# KiCad board k410t-devboard.kicad_pcb (continued)
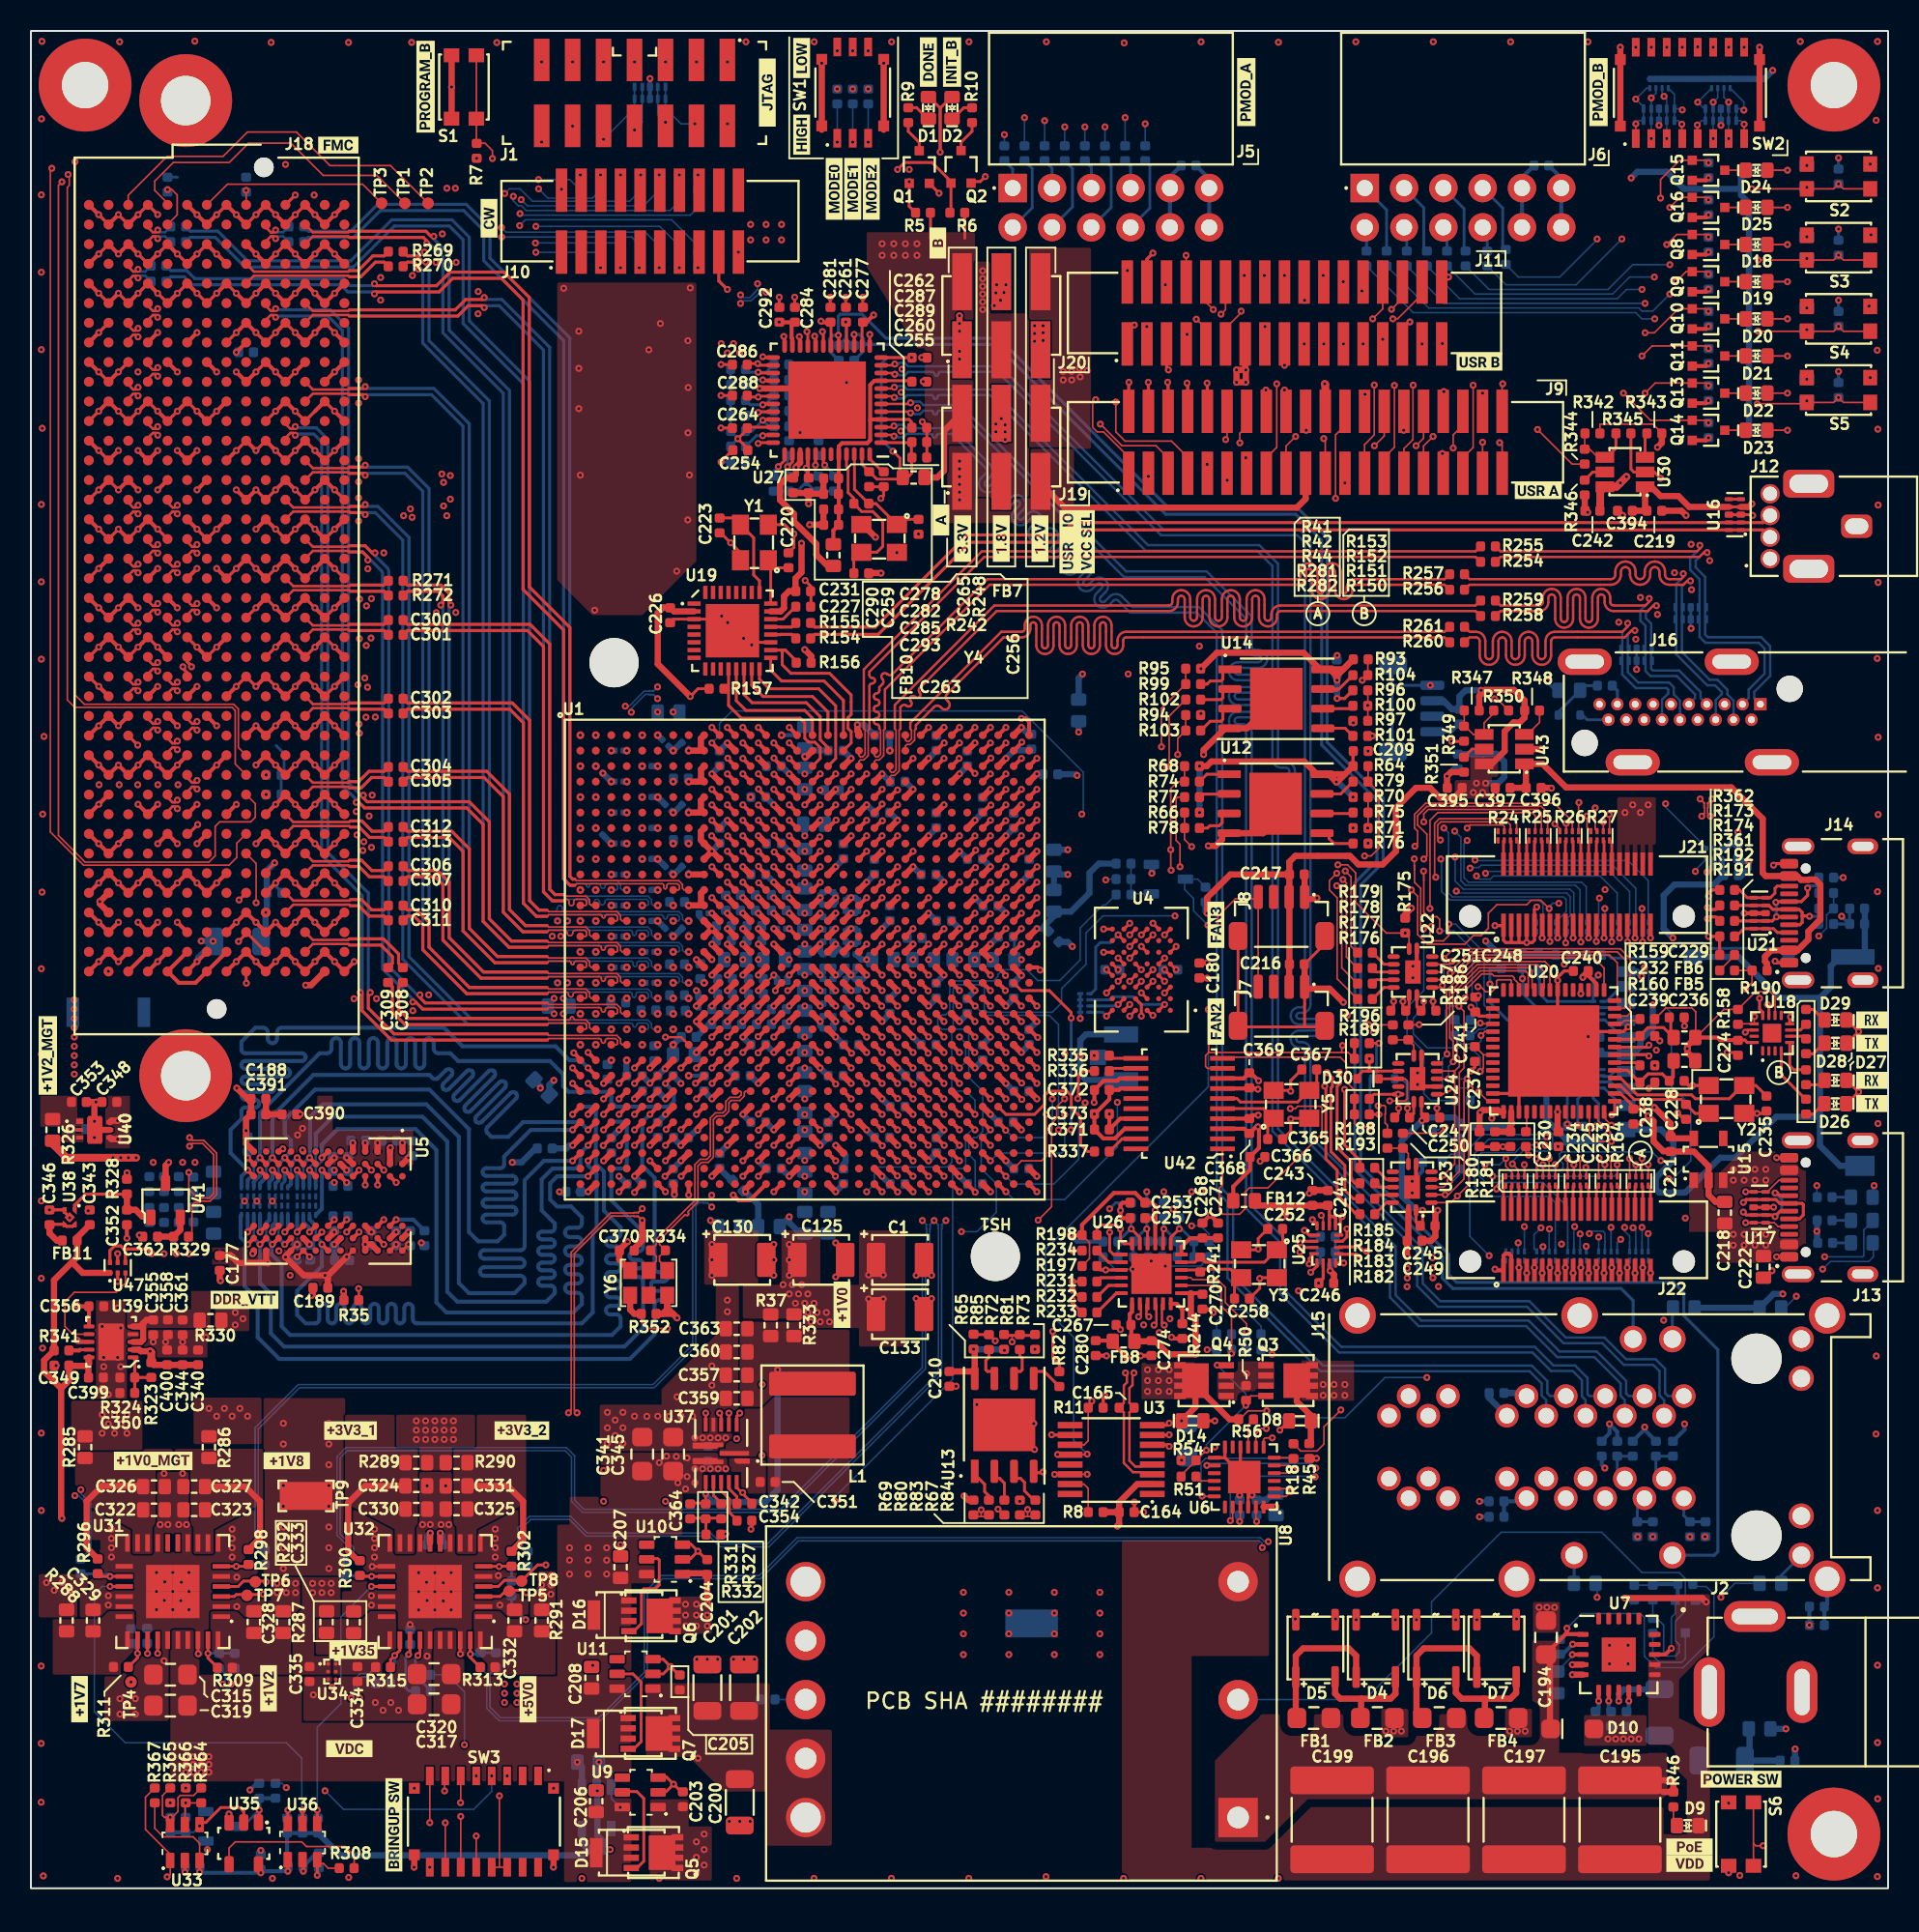
[diagram p0: board, top side]
## Footprints (pads in the part's own frame, mm; a bottom-side part is the same pattern mirrored in y, then rotated) (continued)
BarrelJack_Pin2mm_MJ-179PH
  oval 2x4.5 hole 1x3.5: 1(0,0)
  oval 4x1.99 hole 3x1: 2(2.948,4.879)
  oval 2x4 hole 1x3: 3(5.999,0)
BGA-900_31x31mm_Layout30x30_P1x1mm_FFG900
  round 0.5 smd: A1(-14.5,14.5) A2(-13.5,14.5) A3(-12.5,14.5) A4(-11.5,14.5) A5(-10.5,14.5) A6(-9.5,14.5) A7(-8.5,14.5) A8(-7.5,14.5) A9(-6.5,14.5) A10(-5.5,14.5) A11(-4.5,14.5) A12(-3.5,14.5) A13(-2.5,14.5) A14(-1.5,14.5) A15(-0.5,14.5) A16(0.5,14.5) A17(1.5,14.5) A18(2.5,14.5) A19(3.5,14.5) A20(4.5,14.5) A21(5.5,14.5) A22(6.5,14.5) A23(7.5,14.5) A24(8.5,14.5) A25(9.5,14.5) A26(10.5,14.5) A27(11.5,14.5) A28(12.5,14.5) A29(13.5,14.5) A30(14.5,14.5) AA1(-14.5,-5.5) AA2(-13.5,-5.5) AA3(-12.5,-5.5) AA4(-11.5,-5.5) AA5(-10.5,-5.5) AA6(-9.5,-5.5) AA7(-8.5,-5.5) AA8(-7.5,-5.5) AA9(-6.5,-5.5) AA10(-5.5,-5.5) AA11(-4.5,-5.5) AA12(-3.5,-5.5) AA13(-2.5,-5.5) AA14(-1.5,-5.5) AA15(-0.5,-5.5) AA16(0.5,-5.5) AA17(1.5,-5.5) AA18(2.5,-5.5) AA19(3.5,-5.5) AA20(4.5,-5.5) AA21(5.5,-5.5) AA22(6.5,-5.5) AA23(7.5,-5.5) AA24(8.5,-5.5) AA25(9.5,-5.5) AA26(10.5,-5.5) AA27(11.5,-5.5) AA28(12.5,-5.5) AA29(13.5,-5.5) AA30(14.5,-5.5) AB1(-14.5,-6.5) AB2(-13.5,-6.5) AB3(-12.5,-6.5) AB4(-11.5,-6.5) AB5(-10.5,-6.5) AB6(-9.5,-6.5) AB7(-8.5,-6.5) AB8(-7.5,-6.5) AB9(-6.5,-6.5) AB10(-5.5,-6.5) AB11(-4.5,-6.5) AB12(-3.5,-6.5) AB13(-2.5,-6.5) AB14(-1.5,-6.5) AB15(-0.5,-6.5) AB16(0.5,-6.5) AB17(1.5,-6.5) AB18(2.5,-6.5) AB19(3.5,-6.5) AB20(4.5,-6.5) AB21(5.5,-6.5) AB22(6.5,-6.5) AB23(7.5,-6.5) AB24(8.5,-6.5) AB25(9.5,-6.5) AB26(10.5,-6.5) AB27(11.5,-6.5) AB28(12.5,-6.5) AB29(13.5,-6.5) AB30(14.5,-6.5) AC1(-14.5,-7.5) AC2(-13.5,-7.5) AC3(-12.5,-7.5) AC4(-11.5,-7.5) AC5(-10.5,-7.5) AC6(-9.5,-7.5) AC7(-8.5,-7.5) AC8(-7.5,-7.5) AC9(-6.5,-7.5) AC10(-5.5,-7.5) AC11(-4.5,-7.5) AC12(-3.5,-7.5) AC13(-2.5,-7.5) AC14(-1.5,-7.5) AC15(-0.5,-7.5) AC16(0.5,-7.5) AC17(1.5,-7.5) AC18(2.5,-7.5) AC19(3.5,-7.5) AC20(4.5,-7.5) AC21(5.5,-7.5) AC22(6.5,-7.5) AC23(7.5,-7.5) AC24(8.5,-7.5) AC25(9.5,-7.5) AC26(10.5,-7.5) AC27(11.5,-7.5) AC28(12.5,-7.5) AC29(13.5,-7.5) AC30(14.5,-7.5) AD1(-14.5,-8.5) AD2(-13.5,-8.5) AD3(-12.5,-8.5) AD4(-11.5,-8.5) AD5(-10.5,-8.5) AD6(-9.5,-8.5) AD7(-8.5,-8.5) AD8(-7.5,-8.5) AD9(-6.5,-8.5) AD10(-5.5,-8.5) AD11(-4.5,-8.5) AD12(-3.5,-8.5) AD13(-2.5,-8.5) AD14(-1.5,-8.5) AD15(-0.5,-8.5) AD16(0.5,-8.5) AD17(1.5,-8.5) AD18(2.5,-8.5) AD19(3.5,-8.5) AD20(4.5,-8.5) AD21(5.5,-8.5) AD22(6.5,-8.5) AD23(7.5,-8.5) AD24(8.5,-8.5) AD25(9.5,-8.5) AD26(10.5,-8.5) AD27(11.5,-8.5) AD28(12.5,-8.5) AD29(13.5,-8.5) AD30(14.5,-8.5) AE1(-14.5,-9.5) AE2(-13.5,-9.5) AE3(-12.5,-9.5) AE4(-11.5,-9.5) AE5(-10.5,-9.5) AE6(-9.5,-9.5) AE7(-8.5,-9.5) AE8(-7.5,-9.5) AE9(-6.5,-9.5) AE10(-5.5,-9.5) AE11(-4.5,-9.5) AE12(-3.5,-9.5) AE13(-2.5,-9.5) AE14(-1.5,-9.5) AE15(-0.5,-9.5) AE16(0.5,-9.5) AE17(1.5,-9.5) AE18(2.5,-9.5) AE19(3.5,-9.5) AE20(4.5,-9.5) AE21(5.5,-9.5) AE22(6.5,-9.5) AE23(7.5,-9.5) AE24(8.5,-9.5) AE25(9.5,-9.5) AE26(10.5,-9.5) AE27(11.5,-9.5) AE28(12.5,-9.5) AE29(13.5,-9.5) AE30(14.5,-9.5) AF1(-14.5,-10.5) AF2(-13.5,-10.5) AF3(-12.5,-10.5) AF4(-11.5,-10.5) AF5(-10.5,-10.5) AF6(-9.5,-10.5) AF7(-8.5,-10.5) AF8(-7.5,-10.5) AF9(-6.5,-10.5) AF10(-5.5,-10.5) AF11(-4.5,-10.5) AF12(-3.5,-10.5) AF13(-2.5,-10.5) AF14(-1.5,-10.5) AF15(-0.5,-10.5) AF16(0.5,-10.5) AF17(1.5,-10.5) AF18(2.5,-10.5) AF19(3.5,-10.5) AF20(4.5,-10.5) AF21(5.5,-10.5) AF22(6.5,-10.5) AF23(7.5,-10.5) AF24(8.5,-10.5) AF25(9.5,-10.5) AF26(10.5,-10.5) AF27(11.5,-10.5) AF28(12.5,-10.5) AF29(13.5,-10.5) AF30(14.5,-10.5) AG1(-14.5,-11.5) AG2(-13.5,-11.5) AG3(-12.5,-11.5) AG4(-11.5,-11.5) AG5(-10.5,-11.5) AG6(-9.5,-11.5) AG7(-8.5,-11.5) AG8(-7.5,-11.5) AG9(-6.5,-11.5) AG10(-5.5,-11.5) AG11(-4.5,-11.5) AG12(-3.5,-11.5) AG13(-2.5,-11.5) AG14(-1.5,-11.5) AG15(-0.5,-11.5) AG16(0.5,-11.5) AG17(1.5,-11.5) AG18(2.5,-11.5) AG19(3.5,-11.5) AG20(4.5,-11.5) AG21(5.5,-11.5) AG22(6.5,-11.5) AG23(7.5,-11.5) AG24(8.5,-11.5) AG25(9.5,-11.5) AG26(10.5,-11.5) AG27(11.5,-11.5) AG28(12.5,-11.5) AG29(13.5,-11.5) AG30(14.5,-11.5) AH1(-14.5,-12.5) AH2(-13.5,-12.5) AH3(-12.5,-12.5) AH4(-11.5,-12.5) AH5(-10.5,-12.5) AH6(-9.5,-12.5) AH7(-8.5,-12.5) AH8(-7.5,-12.5) AH9(-6.5,-12.5) AH10(-5.5,-12.5) AH11(-4.5,-12.5) AH12(-3.5,-12.5) AH13(-2.5,-12.5) AH14(-1.5,-12.5) AH15(-0.5,-12.5) AH16(0.5,-12.5) AH17(1.5,-12.5) AH18(2.5,-12.5) AH19(3.5,-12.5) AH20(4.5,-12.5) AH21(5.5,-12.5) AH22(6.5,-12.5) AH23(7.5,-12.5) AH24(8.5,-12.5) AH25(9.5,-12.5) AH26(10.5,-12.5) AH27(11.5,-12.5) AH28(12.5,-12.5) AH29(13.5,-12.5) AH30(14.5,-12.5) AJ1(-14.5,-13.5) AJ2(-13.5,-13.5) AJ3(-12.5,-13.5) AJ4(-11.5,-13.5) AJ5(-10.5,-13.5) AJ6(-9.5,-13.5) AJ7(-8.5,-13.5) AJ8(-7.5,-13.5) AJ9(-6.5,-13.5) AJ10(-5.5,-13.5) AJ11(-4.5,-13.5) AJ12(-3.5,-13.5) AJ13(-2.5,-13.5) AJ14(-1.5,-13.5) AJ15(-0.5,-13.5) AJ16(0.5,-13.5) AJ17(1.5,-13.5) AJ18(2.5,-13.5) AJ19(3.5,-13.5) AJ20(4.5,-13.5) AJ21(5.5,-13.5) AJ22(6.5,-13.5) AJ23(7.5,-13.5) AJ24(8.5,-13.5) AJ25(9.5,-13.5) AJ26(10.5,-13.5) AJ27(11.5,-13.5) AJ28(12.5,-13.5) AJ29(13.5,-13.5) AJ30(14.5,-13.5) AK1(-14.5,-14.5) AK2(-13.5,-14.5) AK3(-12.5,-14.5) AK4(-11.5,-14.5) AK5(-10.5,-14.5) AK6(-9.5,-14.5) AK7(-8.5,-14.5) AK8(-7.5,-14.5) AK9(-6.5,-14.5) AK10(-5.5,-14.5) AK11(-4.5,-14.5) AK12(-3.5,-14.5) AK13(-2.5,-14.5) AK14(-1.5,-14.5) AK15(-0.5,-14.5) AK16(0.5,-14.5) AK17(1.5,-14.5) AK18(2.5,-14.5) AK19(3.5,-14.5) AK20(4.5,-14.5) AK21(5.5,-14.5) AK22(6.5,-14.5) AK23(7.5,-14.5) AK24(8.5,-14.5) AK25(9.5,-14.5) AK26(10.5,-14.5) AK27(11.5,-14.5) AK28(12.5,-14.5) AK29(13.5,-14.5) AK30(14.5,-14.5) B1(-14.5,13.5) B2(-13.5,13.5) B3(-12.5,13.5) B4(-11.5,13.5) B5(-10.5,13.5) B6(-9.5,13.5) B7(-8.5,13.5) B8(-7.5,13.5) B9(-6.5,13.5) B10(-5.5,13.5) B11(-4.5,13.5) B12(-3.5,13.5) B13(-2.5,13.5) B14(-1.5,13.5) B15(-0.5,13.5) B16(0.5,13.5) B17(1.5,13.5) B18(2.5,13.5) B19(3.5,13.5) B20(4.5,13.5) B21(5.5,13.5) B22(6.5,13.5) B23(7.5,13.5) B24(8.5,13.5) B25(9.5,13.5) B26(10.5,13.5) B27(11.5,13.5) B28(12.5,13.5) B29(13.5,13.5) B30(14.5,13.5) C1(-14.5,12.5) C2(-13.5,12.5) C3(-12.5,12.5) C4(-11.5,12.5) C5(-10.5,12.5) C6(-9.5,12.5) C7(-8.5,12.5) C8(-7.5,12.5) C9(-6.5,12.5) C10(-5.5,12.5) C11(-4.5,12.5) C12(-3.5,12.5) C13(-2.5,12.5) C14(-1.5,12.5) C15(-0.5,12.5) C16(0.5,12.5) C17(1.5,12.5) C18(2.5,12.5) C19(3.5,12.5) C20(4.5,12.5) C21(5.5,12.5) C22(6.5,12.5) C23(7.5,12.5) C24(8.5,12.5) C25(9.5,12.5) C26(10.5,12.5) C27(11.5,12.5) C28(12.5,12.5) C29(13.5,12.5) C30(14.5,12.5) D1(-14.5,11.5) D2(-13.5,11.5) D3(-12.5,11.5) D4(-11.5,11.5) D5(-10.5,11.5) D6(-9.5,11.5) D7(-8.5,11.5) D8(-7.5,11.5) D9(-6.5,11.5) D10(-5.5,11.5) D11(-4.5,11.5) D12(-3.5,11.5) D13(-2.5,11.5) D14(-1.5,11.5) D15(-0.5,11.5) D16(0.5,11.5) D17(1.5,11.5) D18(2.5,11.5) D19(3.5,11.5) D20(4.5,11.5) D21(5.5,11.5) D22(6.5,11.5) D23(7.5,11.5) D24(8.5,11.5) D25(9.5,11.5) D26(10.5,11.5) D27(11.5,11.5) D28(12.5,11.5) D29(13.5,11.5) D30(14.5,11.5) E1(-14.5,10.5) E2(-13.5,10.5) E3(-12.5,10.5) E4(-11.5,10.5) E5(-10.5,10.5) E6(-9.5,10.5) E7(-8.5,10.5) E8(-7.5,10.5) E9(-6.5,10.5) E10(-5.5,10.5) E11(-4.5,10.5) E12(-3.5,10.5) E13(-2.5,10.5) E14(-1.5,10.5) E15(-0.5,10.5) E16(0.5,10.5) E17(1.5,10.5) E18(2.5,10.5) E19(3.5,10.5) E20(4.5,10.5) E21(5.5,10.5) E22(6.5,10.5) E23(7.5,10.5) E24(8.5,10.5) E25(9.5,10.5) E26(10.5,10.5) E27(11.5,10.5) E28(12.5,10.5) E29(13.5,10.5) E30(14.5,10.5) F1(-14.5,9.5) F2(-13.5,9.5) F3(-12.5,9.5) F4(-11.5,9.5) F5(-10.5,9.5) F6(-9.5,9.5) F7(-8.5,9.5) F8(-7.5,9.5) F9(-6.5,9.5) F10(-5.5,9.5) F11(-4.5,9.5) F12(-3.5,9.5) F13(-2.5,9.5) F14(-1.5,9.5) F15(-0.5,9.5) F16(0.5,9.5) F17(1.5,9.5) F18(2.5,9.5) F19(3.5,9.5) F20(4.5,9.5) F21(5.5,9.5) F22(6.5,9.5) F23(7.5,9.5) F24(8.5,9.5) F25(9.5,9.5) F26(10.5,9.5) F27(11.5,9.5) F28(12.5,9.5) F29(13.5,9.5) F30(14.5,9.5) G1(-14.5,8.5) G2(-13.5,8.5) G3(-12.5,8.5) G4(-11.5,8.5) G5(-10.5,8.5) G6(-9.5,8.5) G7(-8.5,8.5) G8(-7.5,8.5) G9(-6.5,8.5) G10(-5.5,8.5) G11(-4.5,8.5) G12(-3.5,8.5) G13(-2.5,8.5) G14(-1.5,8.5) G15(-0.5,8.5) G16(0.5,8.5) G17(1.5,8.5) G18(2.5,8.5) G19(3.5,8.5) G20(4.5,8.5) G21(5.5,8.5) G22(6.5,8.5) G23(7.5,8.5) G24(8.5,8.5) G25(9.5,8.5) G26(10.5,8.5) G27(11.5,8.5) G28(12.5,8.5) G29(13.5,8.5) G30(14.5,8.5) H1(-14.5,7.5) H2(-13.5,7.5) H3(-12.5,7.5) H4(-11.5,7.5) H5(-10.5,7.5) H6(-9.5,7.5) H7(-8.5,7.5) H8(-7.5,7.5) H9(-6.5,7.5) H10(-5.5,7.5) H11(-4.5,7.5) H12(-3.5,7.5) H13(-2.5,7.5) H14(-1.5,7.5) H15(-0.5,7.5) H16(0.5,7.5) H17(1.5,7.5) H18(2.5,7.5) H19(3.5,7.5) H20(4.5,7.5) H21(5.5,7.5) H22(6.5,7.5) H23(7.5,7.5) H24(8.5,7.5) H25(9.5,7.5) H26(10.5,7.5) H27(11.5,7.5) H28(12.5,7.5) H29(13.5,7.5) H30(14.5,7.5) J1(-14.5,6.5) J2(-13.5,6.5) J3(-12.5,6.5) J4(-11.5,6.5) J5(-10.5,6.5) J6(-9.5,6.5) J7(-8.5,6.5) J8(-7.5,6.5) J9(-6.5,6.5) J10(-5.5,6.5) J11(-4.5,6.5) J12(-3.5,6.5) J13(-2.5,6.5) J14(-1.5,6.5) J15(-0.5,6.5) J16(0.5,6.5) J17(1.5,6.5) J18(2.5,6.5) J19(3.5,6.5) J20(4.5,6.5) J21(5.5,6.5) J22(6.5,6.5) J23(7.5,6.5) J24(8.5,6.5) J25(9.5,6.5) J26(10.5,6.5) J27(11.5,6.5) J28(12.5,6.5) J29(13.5,6.5) J30(14.5,6.5) K1(-14.5,5.5) K2(-13.5,5.5) K3(-12.5,5.5) K4(-11.5,5.5) K5(-10.5,5.5) K6(-9.5,5.5) K7(-8.5,5.5) K8(-7.5,5.5) K9(-6.5,5.5) K10(-5.5,5.5) K11(-4.5,5.5) K12(-3.5,5.5) K13(-2.5,5.5) K14(-1.5,5.5) K15(-0.5,5.5) K16(0.5,5.5) K17(1.5,5.5) K18(2.5,5.5) K19(3.5,5.5) K20(4.5,5.5) K21(5.5,5.5) K22(6.5,5.5) K23(7.5,5.5) K24(8.5,5.5) K25(9.5,5.5) K26(10.5,5.5) K27(11.5,5.5) K28(12.5,5.5) K29(13.5,5.5) K30(14.5,5.5) L1(-14.5,4.5) L2(-13.5,4.5) L3(-12.5,4.5) L4(-11.5,4.5) L5(-10.5,4.5) L6(-9.5,4.5) L7(-8.5,4.5) L8(-7.5,4.5) L9(-6.5,4.5) L10(-5.5,4.5) L11(-4.5,4.5) L12(-3.5,4.5) L13(-2.5,4.5) L14(-1.5,4.5) L15(-0.5,4.5) L16(0.5,4.5) L17(1.5,4.5) L18(2.5,4.5) L19(3.5,4.5) L20(4.5,4.5) L21(5.5,4.5) L22(6.5,4.5) L23(7.5,4.5) L24(8.5,4.5) L25(9.5,4.5) L26(10.5,4.5) L27(11.5,4.5) L28(12.5,4.5) L29(13.5,4.5) L30(14.5,4.5) M1(-14.5,3.5) M2(-13.5,3.5) M3(-12.5,3.5) M4(-11.5,3.5) M5(-10.5,3.5) M6(-9.5,3.5) M7(-8.5,3.5) M8(-7.5,3.5) M9(-6.5,3.5) M10(-5.5,3.5) M11(-4.5,3.5) M12(-3.5,3.5) M13(-2.5,3.5) M14(-1.5,3.5) M15(-0.5,3.5) M16(0.5,3.5) M17(1.5,3.5) M18(2.5,3.5) M19(3.5,3.5) M20(4.5,3.5) M21(5.5,3.5) M22(6.5,3.5) M23(7.5,3.5) M24(8.5,3.5) M25(9.5,3.5) M26(10.5,3.5) M27(11.5,3.5) M28(12.5,3.5) M29(13.5,3.5) M30(14.5,3.5) N1(-14.5,2.5) N2(-13.5,2.5) N3(-12.5,2.5) N4(-11.5,2.5) N5(-10.5,2.5) N6(-9.5,2.5) N7(-8.5,2.5) N8(-7.5,2.5) N9(-6.5,2.5) N10(-5.5,2.5) N11(-4.5,2.5) N12(-3.5,2.5) N13(-2.5,2.5) N14(-1.5,2.5) N15(-0.5,2.5) N16(0.5,2.5) N17(1.5,2.5) N18(2.5,2.5) N19(3.5,2.5) N20(4.5,2.5) N21(5.5,2.5) N22(6.5,2.5) N23(7.5,2.5) N24(8.5,2.5) N25(9.5,2.5) N26(10.5,2.5) N27(11.5,2.5) N28(12.5,2.5) N29(13.5,2.5) N30(14.5,2.5) P1(-14.5,1.5) P2(-13.5,1.5) P3(-12.5,1.5) P4(-11.5,1.5) P5(-10.5,1.5) P6(-9.5,1.5) P7(-8.5,1.5) P8(-7.5,1.5) P9(-6.5,1.5) P10(-5.5,1.5) P11(-4.5,1.5) P12(-3.5,1.5) P13(-2.5,1.5) P14(-1.5,1.5) P15(-0.5,1.5) P16(0.5,1.5) P17(1.5,1.5) P18(2.5,1.5) P19(3.5,1.5) P20(4.5,1.5) P21(5.5,1.5) P22(6.5,1.5) P23(7.5,1.5) P24(8.5,1.5) P25(9.5,1.5) P26(10.5,1.5) P27(11.5,1.5) P28(12.5,1.5) P29(13.5,1.5) P30(14.5,1.5) R1(-14.5,0.5) R2(-13.5,0.5) R3(-12.5,0.5) R4(-11.5,0.5) R5(-10.5,0.5) R6(-9.5,0.5) R7(-8.5,0.5) R8(-7.5,0.5) R9(-6.5,0.5) R10(-5.5,0.5) R11(-4.5,0.5) R12(-3.5,0.5) R13(-2.5,0.5) R14(-1.5,0.5) R15(-0.5,0.5) R16(0.5,0.5) R17(1.5,0.5) R18(2.5,0.5) R19(3.5,0.5) R20(4.5,0.5) R21(5.5,0.5) R22(6.5,0.5) R23(7.5,0.5) R24(8.5,0.5) R25(9.5,0.5) R26(10.5,0.5) R27(11.5,0.5) R28(12.5,0.5) R29(13.5,0.5) R30(14.5,0.5) T1(-14.5,-0.5) T2(-13.5,-0.5) T3(-12.5,-0.5) T4(-11.5,-0.5) T5(-10.5,-0.5) T6(-9.5,-0.5) T7(-8.5,-0.5) T8(-7.5,-0.5) T9(-6.5,-0.5) T10(-5.5,-0.5) T11(-4.5,-0.5) T12(-3.5,-0.5) T13(-2.5,-0.5) T14(-1.5,-0.5) T15(-0.5,-0.5) T16(0.5,-0.5) T17(1.5,-0.5) T18(2.5,-0.5) T19(3.5,-0.5) T20(4.5,-0.5) T21(5.5,-0.5) T22(6.5,-0.5) T23(7.5,-0.5) T24(8.5,-0.5) T25(9.5,-0.5) T26(10.5,-0.5) T27(11.5,-0.5) T28(12.5,-0.5) T29(13.5,-0.5) T30(14.5,-0.5) U1(-14.5,-1.5) U2(-13.5,-1.5) U3(-12.5,-1.5) U4(-11.5,-1.5) U5(-10.5,-1.5) U6(-9.5,-1.5) U7(-8.5,-1.5) U8(-7.5,-1.5) U9(-6.5,-1.5) U10(-5.5,-1.5) U11(-4.5,-1.5) U12(-3.5,-1.5) U13(-2.5,-1.5) U14(-1.5,-1.5) U15(-0.5,-1.5) U16(0.5,-1.5) U17(1.5,-1.5) U18(2.5,-1.5) U19(3.5,-1.5) U20(4.5,-1.5) U21(5.5,-1.5) U22(6.5,-1.5) U23(7.5,-1.5) U24(8.5,-1.5) U25(9.5,-1.5) U26(10.5,-1.5) U27(11.5,-1.5) U28(12.5,-1.5) U29(13.5,-1.5) U30(14.5,-1.5) V1(-14.5,-2.5) V2(-13.5,-2.5) V3(-12.5,-2.5) V4(-11.5,-2.5) V5(-10.5,-2.5) V6(-9.5,-2.5) V7(-8.5,-2.5) V8(-7.5,-2.5) V9(-6.5,-2.5) V10(-5.5,-2.5) V11(-4.5,-2.5) V12(-3.5,-2.5) V13(-2.5,-2.5) V14(-1.5,-2.5) V15(-0.5,-2.5) V16(0.5,-2.5) V17(1.5,-2.5) V18(2.5,-2.5) V19(3.5,-2.5) V20(4.5,-2.5) V21(5.5,-2.5) V22(6.5,-2.5) V23(7.5,-2.5) V24(8.5,-2.5) V25(9.5,-2.5) V26(10.5,-2.5) V27(11.5,-2.5) V28(12.5,-2.5) V29(13.5,-2.5) V30(14.5,-2.5) W1(-14.5,-3.5) W2(-13.5,-3.5) W3(-12.5,-3.5) W4(-11.5,-3.5) W5(-10.5,-3.5) W6(-9.5,-3.5) W7(-8.5,-3.5) W8(-7.5,-3.5) W9(-6.5,-3.5) W10(-5.5,-3.5) W11(-4.5,-3.5) W12(-3.5,-3.5) W13(-2.5,-3.5) W14(-1.5,-3.5) W15(-0.5,-3.5) W16(0.5,-3.5) W17(1.5,-3.5) W18(2.5,-3.5) W19(3.5,-3.5) W20(4.5,-3.5) W21(5.5,-3.5) W22(6.5,-3.5) W23(7.5,-3.5) W24(8.5,-3.5) W25(9.5,-3.5) W26(10.5,-3.5) W27(11.5,-3.5) W28(12.5,-3.5) W29(13.5,-3.5) W30(14.5,-3.5) Y1(-14.5,-4.5) Y2(-13.5,-4.5) Y3(-12.5,-4.5) Y4(-11.5,-4.5) Y5(-10.5,-4.5) Y6(-9.5,-4.5) Y7(-8.5,-4.5) Y8(-7.5,-4.5) Y9(-6.5,-4.5) Y10(-5.5,-4.5) Y11(-4.5,-4.5) Y12(-3.5,-4.5) Y13(-2.5,-4.5) Y14(-1.5,-4.5) Y15(-0.5,-4.5) Y16(0.5,-4.5) Y17(1.5,-4.5) Y18(2.5,-4.5) Y19(3.5,-4.5) Y20(4.5,-4.5) Y21(5.5,-4.5) Y22(6.5,-4.5) Y23(7.5,-4.5) Y24(8.5,-4.5) Y25(9.5,-4.5) Y26(10.5,-4.5) Y27(11.5,-4.5) Y28(12.5,-4.5) Y29(13.5,-4.5) Y30(14.5,-4.5)
C_0201
  rrect 0.318x0.36 smd: (-0.349,0.002) (0.341,0.002)
  rrect 0.46x0.4 smd: 1(-0.321,0.002) 2(0.32,0.002)
C_0402_1005Metric
  rrect 0.59x0.64 smd: 1(-0.48,0) 2(0.48,0)
C_0603_1608Metric
  rrect 0.8x1 smd: 1(-0.7,0) 2(0.7,0)
C_0805_2012Metric
  rrect 1.2x1.3 smd: 1(-1.1,0) 2(1.1,0)
C_1206_3216Metric
  rrect 1.15x1.8 smd: 1(-1.5,-0.001) 2(1.5,-0.001)
C_2220_5650Metric
  rrect 1.8x5.4 smd: 1(-2.55,0) 2(2.55,0)
C_Pol_EIA-B
  rrect 1.2x2.2 smd: 1(-1.551,0) 2(1.55,0)
Coax_Conn_U.FL
  rect 1x1.05 smd: 1(-0.012,-1.499)
  rect 1.05x2.2 smd: SH1(1.463,0) SH2(-1.488,0)
Conn_JST_SH_1x4_BM04B-SRSS-TB-LF-SN
  rrect 1.55x0.6 smd: 1(-1.45,1.5) 2(-1.45,0.5) 3(-1.45,-0.5) 4(-1.45,-1.5)
  rrect 1.8x1.2 smd: MP(1.075,2.8) MP(1.075,-2.8)
Conn_Socket_Samtec_ERF5_2x20_ERF5-020-05.0-L-DV-K-TR
  round 1.45 hole 1.45 unplated: (-6.9,-1.401) (6.901,-1.401)
  rect 0.3x1.5 smd: 1(-4.748,-1.976) 2(-4.748,1.975) 3(-4.248,-1.976) 4(-4.248,1.975) 5(-3.749,-1.976) 6(-3.749,1.975) 7(-3.249,-1.976) 8(-3.249,1.975) 9(-2.749,-1.976) 10(-2.749,1.975) 11(-2.249,-1.976) 12(-2.249,1.975) 13(-1.749,-1.976) 14(-1.749,1.975) 15(-1.249,-1.976) 16(-1.249,1.975) 17(-0.748,-1.976) 18(-0.748,1.975) 19(-0.248,-1.976) 20(-0.248,1.975) 21(0.25,-1.976) 22(0.25,1.975) 23(0.75,-1.976) 24(0.75,1.975) 25(1.25,-1.976) 26(1.25,1.975) 27(1.75,-1.976) 28(1.75,1.975) 29(2.25,-1.976) 30(2.25,1.975) 31(2.75,-1.976) 32(2.75,1.975) 33(3.25,-1.976) 34(3.25,1.975) 35(3.75,-1.976) 36(3.75,1.975) 37(4.25,-1.976) 38(4.25,1.975) 39(4.75,-1.976) 40(4.75,1.975)
D_SOD-123F
  rrect 1.2x1.2 smd: 1(-1.401,0) 2(1.398,0)
DFN3538
  rrect 0.48x1.4 smd: 1(-1.27,1.85) 2(1.27,1.85) 3(-1.27,-1.85) 4(1.27,-1.85)
DFN-10-1EP_3x3mm
  rrect 0.7x0.25 smd: 1(-1.425,1) 2(-1.425,0.5) 3(-1.425,0) 4(-1.425,-0.498) 5(-1.425,-0.998) 6(1.426,-0.998) 7(1.426,-0.498) 8(1.426,0) 9(1.426,0.5) 10(1.426,1)
  rrect 1.65x2.38 smd: 11(0,0)
DHVQFN-14-1EP_2.5x3mm
  oval 0.3x0.8 smd: 1(-0.25,1.5) 7(-0.25,-1.499) 8(0.244,-1.499) 14(0.244,1.5)
  oval 0.8x0.3 smd: 2(-1.25,1) 3(-1.25,0.5) 4(-1.25,0) 5(-1.25,-0.494) 6(-1.25,-0.994) 9(1.249,-0.994) 10(1.249,-0.494) 11(1.249,0) 12(1.249,0.5) 13(1.249,1)
  rect 1x1.5 smd: 15(0,0)
F_1206_3216Metric
  rrect 1.15x1.8 smd: 1(-1.5,-0.001) 2(1.5,-0.001)
FB_0402_1005Metric
  rrect 0.59x0.64 smd: 1(-0.48,0) 2(0.48,0)
FB_0603_1608Metric
  rrect 0.8x1 smd: 1(-0.7,0) 2(0.7,0)
FB_0805_2012Metric
  rrect 1.2x1.3 smd: 1(-1.1,0) 2(1.1,0)
HDMI-A_Receptacle_TE_2007435-1
  round 1.7 hole 1.7 unplated: (-2.5,11.35) (0.996,-1.896)
  rect 0.8x0.8 hole 0.45: 1(0,0)
  round 0.8 hole 0.45: 2(-1,0.578) 3(0,1.156) 4(-1,1.734) 5(0,2.311) 6(-1,2.888) 7(0,3.465) 8(-1,4.045) 9(0,4.622) 10(-1,5.199) 11(0,5.776) 12(-1,6.353) 13(0,6.93) 14(-1,7.508) 15(0,8.087) 16(-1,8.664) 17(0,9.241) 18(-1,9.818) 19(0,10.395)
  oval 1.7x3.5 hole 0.9x2.5: SH(-3.75,8.25) SH(-3.75,-0.746) SH(2.749,11.35) SH(2.749,1.851)
Heatsink_960-31-18-S-AB-0
  round 3.18 hole 3.18 unplated: (-19.176,-12.32) (19.184,12.321)
L_Bourns-SRP6050CA
  rrect 1.55x5.6 smd: 1(-2.025,0) 2(2.025,0)
LED_0603_1608Metric_B
  rrect 0.8x1 smd: 1(-0.7,0) 2(0.7,0)
LED_0603_1608Metric_G
  rrect 0.8x1 smd: 1(-0.7,0) 2(0.7,0)
LED_0603_1608Metric_R
  rrect 0.8x1 smd: 1(-0.7,0) 2(0.7,0)
LGA-33_7x7mm_P0.65mm
  rect 1.125x0.3 smd: 1(-3.138,1.625) 2(-3.138,0.975) 3(-3.138,0.328) 4(-3.138,-0.325) 5(-3.138,-0.972) 6(-3.138,-1.624) 17(3.136,-1.624) 18(3.136,-0.972) 19(3.136,-0.325) 20(3.136,0.328) 21(3.136,0.975) 22(3.136,1.625)
  rect 0.3x1.125 smd: 7(-2.926,-3.136) 8(-2.275,-3.136) 9(-1.625,-3.136) 10(-0.975,-3.136) 11(-0.328,-3.136) 12(0.325,-3.136) 13(0.972,-3.136) 14(1.624,-3.136) 15(2.273,-3.136) 16(2.922,-3.136) 23(2.922,3.138) 24(2.273,3.138) 25(1.624,3.138) 26(0.972,3.138) 27(0.325,3.138) 28(-0.328,3.138) 29(-0.975,3.138) 30(-1.625,3.138) 31(-2.275,3.138) 32(-2.926,3.138)
  rect 1.725x1.725 smd: 33(-0.863,0.863) 33(-0.863,-0.86) 33(0.86,0.863) 33(0.86,-0.86)
Micron_FBGA-78
  round 0.43 smd: A1(-3.202,4.8) A2(-2.4,4.8) A3(-1.601,4.8) A7(1.6,4.8) A8(2.398,4.8) A9(3.2,4.8) B1(-3.202,4) B2(-2.4,4) B3(-1.601,4) B7(1.6,4) B8(2.398,4) B9(3.2,4) C1(-3.202,3.202) C2(-2.4,3.202) C3(-1.601,3.202) C7(1.6,3.202) C8(2.398,3.202) C9(3.2,3.202) D1(-3.202,2.4) D2(-2.4,2.4) D3(-1.601,2.4) D7(1.6,2.4) D8(2.398,2.4) D9(3.2,2.4) E1(-3.202,1.601) E2(-2.4,1.601) E3(-1.601,1.601) E7(1.6,1.601) E8(2.398,1.601) E9(3.2,1.601) F1(-3.202,0.802) F2(-2.4,0.802) F3(-1.601,0.802) F7(1.6,0.802) F8(2.398,0.802) F9(3.2,0.802) G1(-3.202,0) G2(-2.4,0) G3(-1.601,0) G7(1.6,0) G8(2.398,0) G9(3.2,0) H1(-3.202,-0.8) H2(-2.4,-0.8) H3(-1.601,-0.8) H7(1.6,-0.8) H8(2.398,-0.8) H9(3.2,-0.8) J1(-3.202,-1.6) J2(-2.4,-1.6) J3(-1.601,-1.6) J7(1.6,-1.6) J8(2.398,-1.6) J9(3.2,-1.6) K1(-3.202,-2.398) K2(-2.4,-2.398) K3(-1.601,-2.398) K7(1.6,-2.398) K8(2.398,-2.398) K9(3.2,-2.398) L1(-3.202,-3.2) L2(-2.4,-3.2) L3(-1.601,-3.2) L7(1.6,-3.2) L8(2.398,-3.2) L9(3.2,-3.2) M1(-3.202,-3.999) M2(-2.4,-3.999) M3(-1.601,-3.999) M7(1.6,-3.999) M8(2.398,-3.999) M9(3.2,-3.999) N1(-3.202,-4.799) N2(-2.4,-4.799) N3(-1.601,-4.799) N7(1.6,-4.799) N8(2.398,-4.799) N9(3.2,-4.799)
MicroSD_DM3AT-SF-PEJM5
  rect 0.7x1.2 smd: 1(2.749,7.952) 2(1.65,7.952) 3(0.549,7.952) 4(-0.552,7.952) 5(-1.651,7.952) 6(-2.751,7.952) 7(-3.851,7.952) 8(-4.951,7.952) 9(-5.901,7.952)
  rect 1x0.8 smd: 10(-6.851,-2.547)
  rect 1x2.8 smd: 11(-6.851,-6.698)
  rect 1x1.2 smd: 11(-6.851,3.652) 11(4.299,7.952)
  rect 1.3x1.9 smd: 11(6.648,-7.148)
MP_Pad6mm_Drill3mm
  round 6 hole 3: 1(0,0)
MPS_QFN-14_MP8869S
  custom 1x0.35 smd: 1(-1.401,0.5)
  rect 1.9x0.3 smd: 2(-0.851,0)
  rect 0.25x0.9 smd: 3(-1.002,-1.848) 4(-0.5,-1.848) 5(0,-1.848) 6(0.498,-1.848) 7(0.999,-1.848) 10(0.999,1.851) 11(0.498,1.851) 12(0,1.851) 13(-0.5,1.851) 14(-1.002,1.851)
  custom 2x0.4 smd: 8(0.849,-0.498) 9(0.849,0.5)
NetTie-2_SMD_Pad0.127mm
  rrect 0.127x0.127 smd: 1(-0.127,0) 2(0.126,0)
Nexperia_SOD128
  rect 0.81x1.905 smd: 1(-2.298,0) 2(2.297,0)
Onsemi_WLCSP6_1.40x0.90
  round 0.25 smd: A1(-0.249,0.499) A2(0.246,0.499) B1(-0.249,-0.001) B2(0.246,-0.001) C1(-0.249,-0.496) C2(0.246,-0.496)
Oscillator_SMD_Abracon_AX3_3.2x2.5x1mm
  rect 1.1x0.9 smd: 1(-0.8,1.199) 2(-0.8,0) 3(-0.8,-1.199) 4(0.801,-1.199) 5(0.801,0) 6(0.801,1.199)
PinHeader_2x3_P2.54mm_SMD
  rect 1.27x3.68 smd: 1(-2.539,-2.2) 2(-2.539,2.2) 3(0,-2.2) 4(0,2.2) 5(2.539,-2.2) 6(2.539,2.2)
PinHeader_2x7_P2mm_SMD_Shrouded_no-locator
  rect 1x2.75 smd: 1(-6,-2.128) 2(-6,2.13) 3(-4,-2.128) 4(-4,2.13) 5(-2,-2.128) 6(-2,2.13) 7(0,-2.128) 8(0,2.13) 9(1.999,-2.128) 10(1.999,2.13) 11(3.999,-2.128) 12(3.999,2.13) 13(5.998,-2.128) 14(5.998,2.13)
PinHeader_2x10_P1.27mm_SMD_Shrouded
  rect 0.74x2.8 smd: 1(-5.715,-1.999) 2(-5.715,2) 3(-4.446,-1.999) 4(-4.446,2) 5(-3.177,-1.999) 6(-3.177,2) 7(-1.905,-1.999) 8(-1.905,2) 9(-0.635,-1.999) 10(-0.635,2) 11(0.631,-1.999) 12(0.631,2) 13(1.902,-1.999) 14(1.902,2) 15(3.172,-1.999) 16(3.172,2) 17(4.445,-1.999) 18(4.445,2) 19(5.714,-1.999) 20(5.714,2)
PinHeader_2x17_P1.27mm_SMD_Shrouded
  rect 0.74x2.8 smd: 1(-10.16,-1.999) 2(-10.16,2) 3(-8.891,-1.999) 4(-8.891,2) 5(-7.62,-1.999) 6(-7.62,2) 7(-6.351,-1.999) 8(-6.351,2) 9(-5.08,-1.999) 10(-5.08,2) 11(-3.81,-1.999) 12(-3.81,2) 13(-2.54,-1.999) 14(-2.54,2) 15(-1.27,-1.999) 16(-1.27,2) 17(0,-1.999) 18(0,2) 19(1.269,-1.999) 20(1.269,2) 21(2.539,-1.999) 22(2.539,2) 23(3.809,-1.999) 24(3.809,2) 25(5.078,-1.999) 26(5.078,2) 27(6.349,-1.999) 28(6.349,2) 29(7.618,-1.999) 30(7.618,2) 31(8.89,-1.999) 32(8.89,2) 33(10.159,-1.999) 34(10.159,2)
PinHeader_2x20_P1.27mm_SMD_Shrouded
  rect 0.74x2.8 smd: 1(-12.065,-1.999) 2(-12.065,2) 3(-10.795,-1.999) 4(-10.795,2) 5(-9.526,-1.999) 6(-9.526,2) 7(-8.257,-1.999) 8(-8.257,2) 9(-6.986,-1.999) 10(-6.986,2) 11(-5.715,-1.999) 12(-5.715,2) 13(-4.446,-1.999) 14(-4.446,2) 15(-3.176,-1.999) 16(-3.176,2) 17(-1.905,-1.999) 18(-1.905,2) 19(-0.635,-1.999) 20(-0.635,2) 21(0.633,-1.999) 22(0.633,2) 23(1.904,-1.999) 24(1.904,2) 25(3.173,-1.999) 26(3.173,2) 27(4.445,-1.999) 28(4.445,2) 29(5.714,-1.999) 30(5.714,2) 31(6.985,-1.999) 32(6.985,2) 33(8.255,-1.999) 34(8.255,2) 35(9.525,-1.999) 36(9.525,2) 37(10.794,-1.999) 38(10.794,2) 39(12.063,-1.999) 40(12.063,2)
PinSocket_2x6_P2.54mm_Drill1.04mm_Horizontal
  rect 1.84x1.84 hole 1.04: 1(0,0)
  round 1.84 hole 1.04: 2(0,-2.539) 3(2.539,0) 5(5.078,0) 6(5.078,-2.539) 7(7.618,0) 8(7.618,-2.539) 9(10.159,0) 10(10.159,-2.539) 11(12.698,0) 12(12.698,-2.539)
  round 1.8 hole 1.04: 4(2.539,-2.539)
QFN-2L_1.6x1x0.55mm
  rrect 0.8x1 smd: 1(-0.7,0) 2(0.7,0)
QFN-24-1EP_4x4mm_P0.5_EP2.1x2.1mm
  rrect 0.8x0.8 smd: (-0.5,0.5) (-0.5,-0.5) (0.5,0.5) (0.5,-0.5)
  rrect 0.825x0.25 smd: 1(-1.938,1.25) 2(-1.938,0.75) 3(-1.938,0.25) 4(-1.938,-0.248) 5(-1.938,-0.748) 6(-1.938,-1.249) 13(1.937,-1.249) 14(1.937,-0.748) 15(1.937,-0.248) 16(1.937,0.25) 17(1.937,0.75) 18(1.937,1.25)
  rrect 0.25x0.825 smd: 7(-1.25,-1.937) 8(-0.75,-1.937) 9(-0.25,-1.937) 10(0.248,-1.937) 11(0.748,-1.937) 12(1.249,-1.937) 19(1.249,1.938) 20(0.748,1.938) 21(0.248,1.938) 22(-0.25,1.938) 23(-0.75,1.938) 24(-1.25,1.938)
  rect 2.1x2.1 smd: 25(0,0)
QFN-24-1EP_4x4mm_P0.5mm_EP2.6x2.6mm
  rrect 1.05x1.05 smd: (-0.652,0.652) (-0.652,-0.65) (0.65,0.652) (0.65,-0.65)
  rrect 0.825x0.25 smd: 1(-1.938,1.25) 2(-1.938,0.75) 3(-1.938,0.25) 4(-1.938,-0.248) 5(-1.938,-0.748) 6(-1.938,-1.249) 13(1.937,-1.249) 14(1.937,-0.748) 15(1.937,-0.248) 16(1.937,0.25) 17(1.937,0.75) 18(1.937,1.25)
  rrect 0.25x0.825 smd: 7(-1.25,-1.937) 8(-0.75,-1.937) 9(-0.25,-1.937) 10(0.248,-1.937) 11(0.748,-1.937) 12(1.249,-1.937) 19(1.249,1.938) 20(0.748,1.938) 21(0.248,1.938) 22(-0.25,1.938) 23(-0.75,1.938) 24(-1.25,1.938)
  rect 2.6x2.6 smd: 25(0,0)
QFN-32-1EP_5x5mm
  rect 0.85x0.28 smd: 1(-2.495,1.702) 2(-2.495,1.2) 3(-2.495,0.701) 4(-2.495,0.201) 5(-2.495,-0.296) 6(-2.495,-0.8) 7(-2.495,-1.3) 8(-2.495,-1.8) 17(2.456,-1.8) 18(2.456,-1.3) 19(2.456,-0.8) 20(2.456,-0.296) 21(2.456,0.201) 22(2.456,0.701) 23(2.456,1.2) 24(2.456,1.702)
  rect 0.28x0.85 smd: 9(-1.768,-2.523) 10(-1.269,-2.523) 11(-0.772,-2.523) 12(-0.272,-2.523) 13(0.229,-2.523) 14(0.728,-2.523) 15(1.23,-2.523) 16(1.73,-2.523) 25(1.73,2.426) 26(1.23,2.426) 27(0.728,2.426) 28(0.229,2.426) 29(-0.272,2.426) 30(-0.772,2.426) 31(-1.269,2.426) 32(-1.768,2.426)
  rect 3.45x3.45 smd: 33(-0.02,-0.048)
QFN-48-1EP_7x7x0.9mm_P0.5mm_EP5x5mm
  oval 0.9x0.3 smd: 1(-3.5,2.75) 2(-3.5,2.25) 3(-3.5,1.75) 4(-3.5,1.25) 5(-3.5,0.75) 6(-3.5,0.25) 7(-3.5,-0.248) 8(-3.5,-0.748) 9(-3.5,-1.249) 10(-3.5,-1.749) 11(-3.5,-2.249) 12(-3.5,-2.749) 25(3.499,-2.749) 26(3.499,-2.249) 27(3.499,-1.749) 28(3.499,-1.249) 29(3.499,-0.748) 30(3.499,-0.248) 31(3.499,0.25) 32(3.499,0.75) 33(3.499,1.25) 34(3.499,1.75) 35(3.499,2.25) 36(3.499,2.75)
  oval 0.3x0.9 smd: 13(-2.75,-3.499) 14(-2.25,-3.499) 15(-1.75,-3.499) 16(-1.25,-3.499) 17(-0.75,-3.499) 18(-0.25,-3.499) 19(0.248,-3.499) 20(0.748,-3.499) 21(1.249,-3.499) 22(1.749,-3.499) 23(2.249,-3.499) 24(2.749,-3.499) 37(2.749,3.5) 38(2.249,3.5) 39(1.749,3.5) 40(1.249,3.5) 41(0.748,3.5) 42(0.248,3.5) 43(-0.25,3.5) 44(-0.75,3.5) 45(-1.25,3.5) 46(-1.75,3.5) 47(-2.25,3.5) 48(-2.75,3.5)
  rect 5x5 smd: 49(0,0)
QFN-56-1EP_8x8mm_P0.5mm
  rrect 1.13x1.13 smd: (-2.101,2.101) (-2.101,0.7) (-2.101,-0.699) (-2.101,-2.1) (-0.7,2.101) (-0.7,0.7) (-0.7,-0.699) (-0.7,-2.1) (0.699,2.101) (0.699,0.7) (0.699,-0.699) (0.699,-2.1) (2.1,2.101) (2.1,0.7) (2.1,-0.699) (2.1,-2.1)
  rrect 0.875x0.3 smd: 1(-3.938,3.25) 2(-3.938,2.75) 3(-3.938,2.25) 4(-3.938,1.75) 5(-3.938,1.25) 6(-3.938,0.75) 7(-3.938,0.25) 8(-3.938,-0.249) 9(-3.938,-0.749) 10(-3.938,-1.249) 11(-3.938,-1.749) 12(-3.938,-2.249) 13(-3.938,-2.749) 14(-3.938,-3.249) 29(3.937,-3.249) 30(3.937,-2.749) 31(3.937,-2.249) 32(3.937,-1.749) 33(3.937,-1.249) 34(3.937,-0.749) 35(3.937,-0.249) 36(3.937,0.25) 37(3.937,0.75) 38(3.937,1.25) 39(3.937,1.75) 40(3.937,2.25) 41(3.937,2.75) 42(3.937,3.25)